# Altium PCB roach2.PcbDoc (part 2 of 39)
Units mil, origin at the board's own origin, x right, y up, seen from the top; angles counter-clockwise.
Board outline 12007.87 x 9606.3 mil, 16 copper layers (L1_TOP, L2_G, L3_S, L4_G, L5_S, L6_P, L7_G, L8_R, L9_R, L10_P, L11_P, L12_S, L13_P, L14_S, L15_G, L16_BOT), stack 81.651 mil thick; 1568 components, 1918 nets, 9251 pads, 6741 vias.
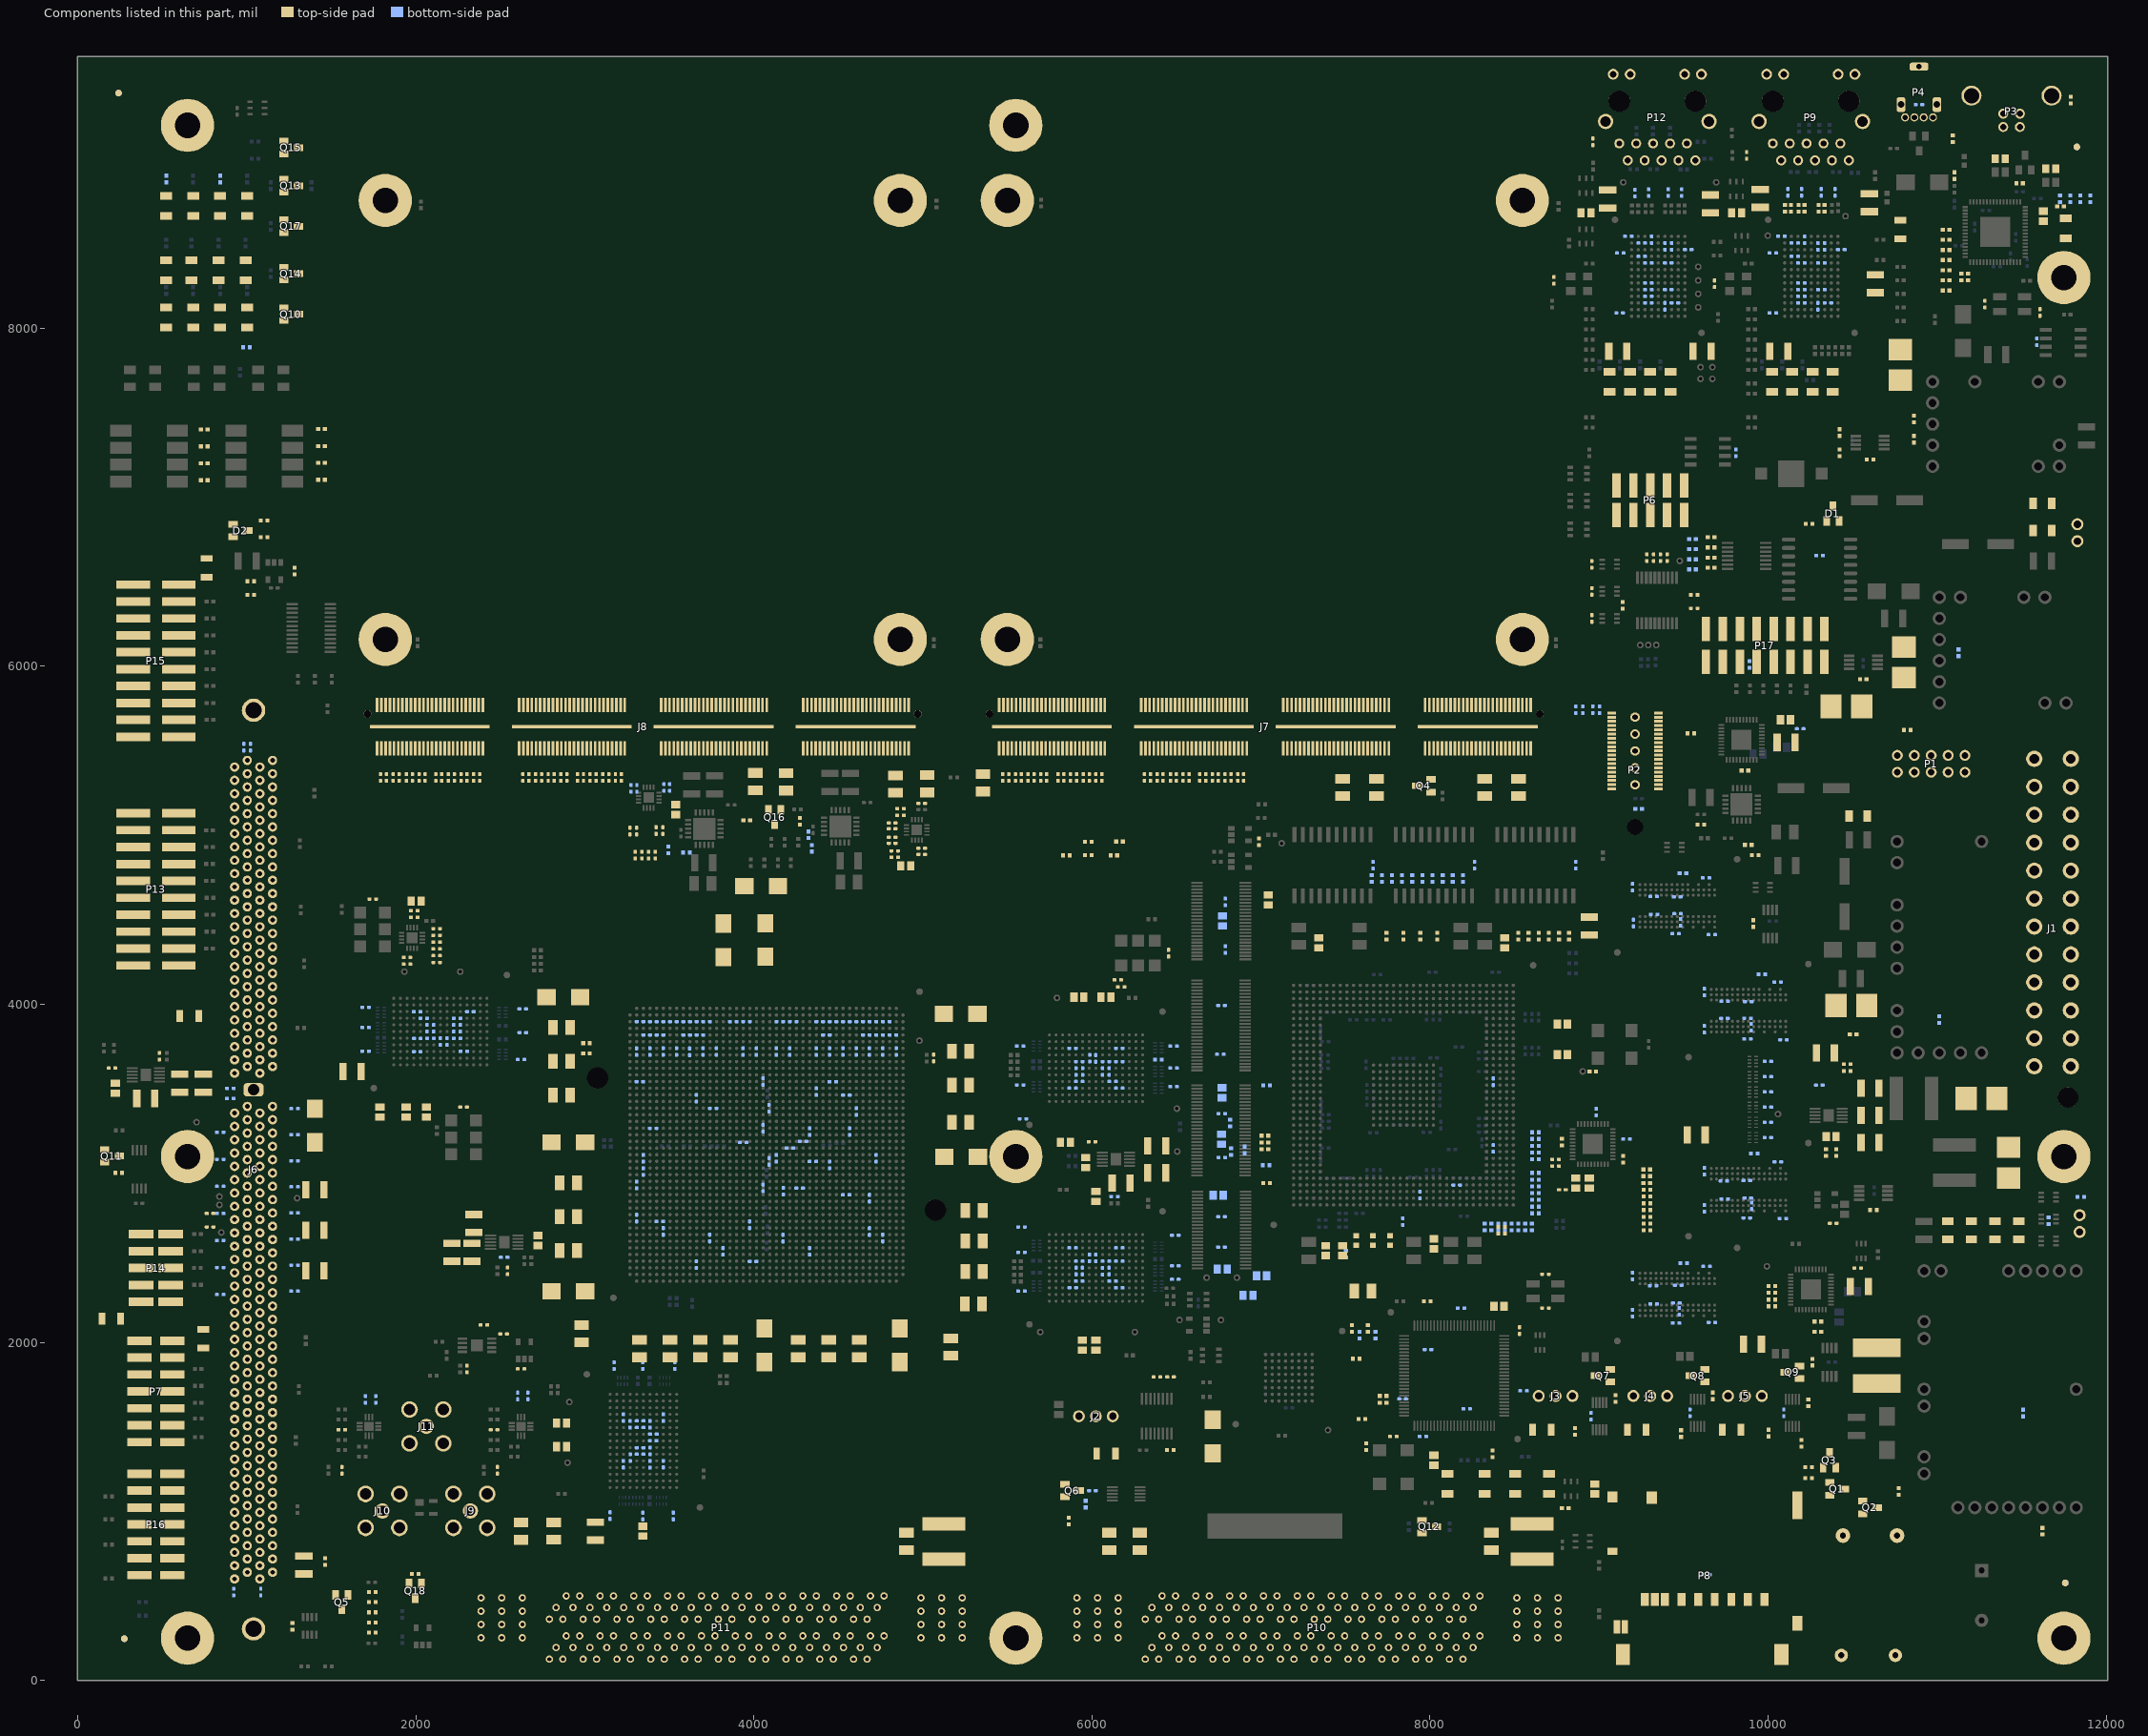
[diagram p16: the components of this part, seen from the top]

## Components (designator, comment, footprint, x,y, rotation, side; value= is the part's Value field where it differs from the comment) (continued)
C184 "1000pF" CAPC1005X55L 10892.99,9322.99 r180 bottom
C185 "4.7uF" CAPC2012X127L 11627.99,8662.99 r90 top
C186 "22pF" CAPC1005X55L 8682.99,2402.99 r0 top
C187 "22pF" CAPC1005X55L 8682.99,2202.99 r180 top
C188 "0.1uF" CAPC1005X60L 11590,7920 r270 bottom
C189 "22pF" CAPC1005X55L 11282.99,8142.99 r270 top
C190 "22pF" CAPC1005X55L 11607.99,8092.99 r90 top
C191 "0.1uF" CAPC1005X60L 8956.99,6602.99 r90 top
C192 "Value" CAPC1005X60L 9402.99,6642.99 r270 top
C193 "0.1uF" CAPC1005X60L 9362.99,6642.99 r270 top
C194 "0.1uF" CAPC1005X60L 9322.99,6642.99 r270 top
C195 "0.1uF" CAPC1005X60L 9282.99,6642.99 r270 top
C196 "0.1uF" CAPC1005X60L 8956.99,6442.99 r90 top
C197 "0.1uF" CAPC1005X60L 8956.99,6282.99 r90 top
C198 "0.1uF" CAPC1005X60L 9562.99,6342.99 r180 top
C199 "0.1uF" CAPC1005X60L 9162.99,3202.99 r180 bottom
C200 "0.1uF" CAPC1005X60L 8982.99,3362.99 r270 bottom
C201 "0.1uF" CAPC1005X60L 8782.99,2902.99 r0 top
C202 "0.47uF" CAPC1005X55L 9998.99,3301.99 r180 bottom
C203 "0.47uF" CAPC1005X55L 9998.99,3211.99 r180 bottom
C204 "0.47uF" CAPC1005X55L 9998.99,3391.99 r180 bottom
C205 "4.7uF" CAPC2012X127L 8942.99,2942.99 r90 top
C206 "0.1uF" CAPC1005X60L 8742.99,3082.99 r0 top
C207 "0.1uF" CAPC1005X60L 8742.99,3042.99 r0 top
C208 "0.47uF" CAPC1005X55L 9998.99,3481.99 r180 bottom
C209 "0.47uF" CAPC1005X55L 9998.99,3571.99 r180 bottom
C210 "0.47uF" CAPC1005X55L 9998.99,3661.99 r180 bottom
C211 "0.1uF" CAPC1005X60L 7838.58,2714.57 r270 bottom
C212 "0.1uF" CAPC1005X60L 8157.48,2931.1 r0 bottom
C213 "0.1uF" CAPC1005X60L 8374.02,3541.34 r270 bottom
C214 "0.1uF" CAPC1005X60L 7940.94,2872.05 r90 bottom
C215 "0.1uF" CAPC1005X60L 8374.02,3147.64 r90 bottom
C216 "4.7uF" CAPC2012X127L 10372.99,3217.99 r180 top
C217 "10uF" CAPC3225X200L 10602.99,3182.99 r180 top
C218 "1000pF" CAPC1005X55L 10467.99,3645.99 r0 top
C219 "0.1uF" CAPC1005X60L 10302.99,3522.99 r180 bottom
C220 "10uF" CAPC3225X200L 10602.99,3342.99 r180 top
C221 "10uF" CAPC3225X200L 10602.99,3502.99 r180 top
C222 "0.1uF" CAPC1005X60L 9452.99,4417.99 r0 bottom
C223 "0.1uF" CAPC1005X60L 9482.71,4484.91 r270 bottom
C224 "10uF" CAPC3225X200L 8942.99,4462.99 r270 top
C225 "0.1uF" CAPC1005X60L 9462.6,4634.84 r180 bottom
C226 "0.1uF" CAPC1005X60L 9322.99,4637.99 r180 bottom
C227 "0.1uF" CAPC1005X60L 9465,4536.1 r180 bottom
C228 "0.1uF" CAPC1005X60L 9325.23,4532.16 r180 bottom
C229 "0.1uF" CAPC1005X60L 9203.19,4480.98 r270 bottom
C230 "0.1uF" CAPC1005X60L 9197.99,4692.99 r90 bottom
C231 "0.1uF" CAPC1005X60L 9632.99,4747.99 r180 bottom
C232 "0.1uF" CAPC1005X60L 9877.95,3795.28 r0 bottom
C233 "0.1uF" CAPC1005X60L 9901.01,3864.1 r270 bottom
C234 "10uF" CAPC3225X200L 10338.58,3712.6 r180 top
C235 "0.1uF" CAPC1005X60L 9741.56,3917.25 r180 bottom
C236 "0.1uF" CAPC1005X60L 9622.99,4072.99 r90 bottom
C237 "0.1uF" CAPC1005X60L 9622.99,3852.99 r270 bottom
C238 "0.1uF" CAPC1005X60L 9882.87,4016.73 r180 bottom
C239 "0.1uF" CAPC1005X60L 10090.98,3790.04 r0 bottom
C240 "0.1uF" CAPC1005X60L 9742.99,4017.99 r180 bottom
C241 "0.1uF" CAPC1005X60L 9877.99,3917.99 r180 bottom
C242 "0.1uF" CAPC1005X60L 9874.15,2736.52 r0 bottom
C243 "0.1uF" CAPC1005X60L 9902.99,2807.99 r270 bottom
C244 "10uF" CAPC3225X200L 9574.99,3227.99 r180 top
C245 "0.1uF" CAPC1005X60L 9880.06,2854.63 r180 bottom
C246 "0.1uF" CAPC1005X60L 9622.99,2792.99 r270 bottom
C247 "0.1uF" CAPC1005X60L 9738.33,2955.02 r180 bottom
C248 "0.1uF" CAPC1005X60L 10057.99,3067.99 r180 bottom
C249 "0.1uF" CAPC1005X60L 9742.99,2847.99 r180 bottom
C250 "0.1uF" CAPC1005X60L 10087.99,2732.99 r0 bottom
C251 "0.1uF" CAPC1005X60L 9874.15,2956.99 r180 bottom
C252 "0.1uF" CAPC1005X60L 9455.36,2114.64 r0 bottom
C253 "0.1uF" CAPC1005X60L 9475.05,2183.54 r270 bottom
C254 "10uF" CAPC3225X200L 9906.99,1988.99 r180 top
C255 "0.1uF" CAPC1005X60L 9197.99,2392.99 r90 bottom
C256 "0.1uF" CAPC1005X60L 9197.99,2172.99 r270 bottom
C257 "0.1uF" CAPC1005X60L 9319.53,2335.11 r180 bottom
C258 "0.1uF" CAPC1005X60L 9322.99,2227.99 r180 bottom
C259 "0.1uF" CAPC1005X60L 9467.99,2337.99 r180 bottom
C260 "0.1uF" CAPC1005X60L 9457.33,2232.75 r180 bottom
C261 "0.1uF" CAPC1005X60L 9636.46,2449.29 r180 bottom
C262 "4.7uF" CAPC2012X127L 8407.99,2212.99 r180 top
C263 "0.1uF" CAPC1005X60L 7837.99,1665.2 r180 bottom
C264 "CapStd" CAPC1005X55L 10385,2705 r180 top
C265 "0.1uF" CAPC1005X60L 8182.99,2202.99 r180 bottom
C266 "0.1uF" CAPC1005X60L 7987.99,1957.99 r180 bottom
C267 "0.1uF" CAPC1005X60L 8216.99,1606.99 r180 bottom
C268 "4.7uF" CAPC2012X127L 8022.99,1302.99 r90 top
C269 "0.1uF" CAPC1005X60L 8552.99,1712.99 r180 bottom
C270 "0.1uF" CAPC1005X60L 7957.99,1442.99 r180 bottom
C271 "0.1uF" CAPC1005X60L 9635,625 r180 bottom
C272 "4.7uF" CAPC2012X127L 8974.45,1132.99 r90 top
C273 "0.1uF" CAPC1005X60L 7782.99,1442.99 r180 top
C274 "10uF" CAPC3225X200L 9952.99,8767.99 r270 top
C275 "1000pF" CAPC1005X55L 10334.65,8484.25 r90 bottom
C276 "0.1uF" CAPC1005X60L 10157.48,8503.94 r180 bottom
C277 "0.1uF" CAPC1005X60L 10295.28,8484.25 r90 bottom
C278 "0.1uF" CAPC1005X60L 10216.54,8523.62 r90 bottom
C279 "0.1uF" CAPC1005X60L 10078.74,8544.29 r0 bottom
C280 "10uF" CAPC3225X200L 10598.99,8742.99 r270 top
C281 "10uF" CAPC3225X200L 10062.99,7862.99 r0 top
C282 "0.1uF" CAPC1005X60L 10354.33,8149.61 r0 bottom
C283 "0.1uF" CAPC1005X60L 10196.85,8267.72 r180 bottom
C284 "0.1uF" CAPC1005X60L 10157.48,8425.2 r180 bottom
C285 "0.1uF" CAPC1005X60L 10433.07,8464.57 r180 bottom
C286 "0.1uF" CAPC1005X60L 10027.56,8090.55 r0 bottom
C287 "0.1uF" CAPC1005X60L 10028.54,8444.88 r0 bottom
C288 "0.1uF" CAPC1005X60L 10295.28,8129.92 r270 bottom
C289 "10uF" CAPC3225X200L 10634.99,8262.99 r270 top
C290 "0.1uF" CAPC1005X60L 10196.85,8149.61 r180 bottom
C291 "0.1uF" CAPC1005X60L 10196.85,8385.83 r180 bottom
C292 "0.1uF" CAPC1005X60L 10314.96,8385.83 r0 bottom
C293 "0.1uF" CAPC1005X60L 10196.85,8188.98 r180 bottom
C294 "1000pF" CAPC1005X55L 6465,1795 r0 top
C295 "0.1uF" CAPC1005X60L 10314.96,8228.35 r0 bottom
C296 "0.1uF" CAPC1005X60L 10196.85,8228.35 r180 bottom
C297 "0.1uF" CAPC1005X60L 9872.99,9022.99 r270 top
C298 "0.1uF" CAPC1005X60L 10117.99,8803.99 r90 bottom
C299 "0.1uF" CAPC1005X60L 10197.99,8803.99 r90 bottom
C300 "0.1uF" CAPC1005X60L 10314.99,8803.99 r90 bottom
C301 "0.1uF" CAPC1005X60L 10395.99,8803.99 r90 bottom
C302 "0.1uF" CAPC1005X60L 9682.99,8262.99 r90 top
C303 "330uF" CAPMP7343X280L 5225.99,3096.99 r0 top
C304 "330uF" CAPMP7343X280L 4043.69,4699.09 r180 top
C305 "330uF" CAPMP7343X280L 2902.99,3182.99 r180 top
C306 "330uF" CAPMP7343X280L 4062.99,1982.99 r270 top
C307 "330uF" CAPMP7343X280L 2872.99,4042.99 r180 top
C308 "330uF" CAPMP7343X280L 5222.99,3942.99 r0 top
C309 "330uF" CAPMP7343X280L 4862.99,1982.99 r270 top
C310 "330uF" CAPMP7343X280L 2902.99,2302.99 r180 top
C311 "330uF" CAPMP7343X280L 6714.99,1442.99 r270 top
C312 "47uF" CAPMP3528X120L 5298.89,2226.79 r180 top
C313 "47uF" CAPMP3528X120L 2862.99,3662.99 r180 top
C314 "47uF" CAPMP3528X120L 5222.99,3302.99 r0 top
C315 "47uF" CAPMP3528X120L 5222.99,3522.99 r0 top
C316 "47uF" CAPMP3528X120L 3862.99,1962.99 r270 top
C317 "47uF" CAPMP3528X120L 5302.99,2600 r0 top
C318 "4.7uF" CAPC1005X60L 4291.34,3188.98 r0 bottom
C319 "4.7uF" CAPC1005X60L 4212.6,3149.61 r180 bottom
C320 "4.7uF" CAPC1005X60L 4055.12,2913.39 r90 bottom
C321 "4.7uF" CAPC1005X60L 4089.49,3385.83 r90 bottom
C322 "4.7uF" CAPC1005X60L 4089.49,3070.87 r270 bottom
C323 "4.7uF" CAPC1005X60L 3937.01,3182.98 r0 bottom
C324 "4.7uF" CAPC1005X60L 4055.12,3267.72 r90 bottom
C325 "4.7uF" CAPC1005X60L 4055.12,3543.31 r270 bottom
C326 "330uF" CAPMP7343X280L 4067.69,4380.69 r90 top
C327 "0.47uF" CAPC1005X55L 4468.5,3897.64 r180 bottom
C328 "0.47uF" CAPC1005X55L 4783.46,3897.64 r0 bottom
C329 "0.47uF" CAPC1005X55L 4625.98,3897.64 r180 bottom
C330 "0.47uF" CAPC1005X55L 3681.1,3818.9 r180 bottom
C331 "0.47uF" CAPC1005X55L 3641.73,3897.64 r180 bottom
C332 "0.47uF" CAPC1005X55L 3484.25,3897.64 r180 bottom
C333 "0.47uF" CAPC1005X55L 3444.88,3818.9 r180 bottom
C334 "0.47uF" CAPC1005X55L 3405.51,3897.64 r180 bottom
C335 "0.47uF" CAPC1005X55L 4704.72,3897.64 r180 bottom
C336 "0.47uF" CAPC1005X55L 4822.83,3818.9 r0 bottom
C337 "0.47uF" CAPC1005X55L 4744.09,3818.9 r0 bottom
C338 "0.47uF" CAPC1005X55L 4547.24,3897.64 r180 bottom
C339 "0.47uF" CAPC1005X55L 3720.47,3897.64 r180 bottom
C340 "0.47uF" CAPC1005X55L 3562.99,3897.64 r180 bottom
C341 "0.47uF" CAPC1005X55L 3602.36,3818.9 r180 bottom
C342 "0.47uF" CAPC1005X55L 3366.14,3818.9 r180 bottom
C343 "0.47uF" CAPC1005X55L 3326.77,3897.64 r180 bottom
C344 "330uF" CAPMP7343X280L 3819.99,4378.99 r90 top
C345 "0.47uF" CAPC1005X55L 3305.59,3719.97 r270 bottom
C346 "0.47uF" CAPC1005X55L 3699.79,3720.47 r270 bottom
C347 "0.47uF" CAPC1005X55L 3936.01,3720.47 r270 bottom
C348 "0.47uF" CAPC1005X55L 4132.86,3720.47 r270 bottom
C349 "0.47uF" CAPC1005X55L 4369.08,3720.47 r270 bottom
C350 "0.47uF" CAPC1005X55L 4526.56,3720.47 r270 bottom
C351 "0.47uF" CAPC1005X55L 4684.04,3720.47 r270 bottom
C352 "0.47uF" CAPC1005X55L 4842.52,3720.47 r270 bottom
C353 "0.47uF" CAPC1005X55L 3384.83,3720.47 r270 bottom
C354 "0.47uF" CAPC1005X55L 3778.53,3720.47 r270 bottom
C355 "0.47uF" CAPC1005X55L 4014.75,3720.47 r270 bottom
C356 "0.47uF" CAPC1005X55L 4212.6,3720.47 r270 bottom
C357 "0.47uF" CAPC1005X55L 4447.82,3720.47 r270 bottom
C358 "0.47uF" CAPC1005X55L 4605.3,3720.47 r270 bottom
C359 "0.47uF" CAPC1005X55L 4762.78,3720.47 r270 bottom
C360 "0.47uF" CAPC1005X55L 3463.57,3720.47 r270 bottom
C361 "47uF" CAPMP3528X120L 4442.99,1962.99 r270 top
C362 "47uF" CAPMP3528X120L 5164.99,1972.99 r270 top
C363 "47uF" CAPMP3528X120L 7602.99,2302.99 r180 top
C364 "0.1uF" CAPC1005X60L 9667.69,4411.92 r0 bottom
C365 "4.7uF" CAPC1005X60L 4172.23,2617.11 r270 bottom
C366 "4.7uF" CAPC1005X60L 4329.71,2538.37 r270 bottom
C367 "4.7uF" CAPC1005X60L 3345.96,3010.81 r270 bottom
C368 "0.47uF" CAPC1005X55L 3306.59,2931.57 r90 bottom
C369 "4.7uF" CAPC1005X60L 3306.09,2735.22 r270 bottom
C371 "0.1uF" CAPC1005X60L 4133.36,3089.05 r90 bottom
C372 "0.1uF" CAPC1005X60L 10056.46,4131.75 r180 bottom
C373 "47uF" CAPMP3528X120L 2862.99,3462.99 r180 top
C374 "47uF" CAPMP3528X120L 2902.99,2742.99 r180 top
C375 "47uF" CAPMP3528X120L 2902.99,2542.99 r180 top
C376 "47uF" CAPMP3528X120L 4837.99,5302.99 r270 top
C377 "4.7uF" CAPC1005X60L 3463.57,2656.48 r270 bottom
C379 "4.7uF" CAPC1005X60L 3739.16,2617.11 r270 bottom
C381 "4.7uF" CAPC1005X60L 3660.42,2459.63 r270 bottom
C382 "0.47uF" CAPC1005X55L 3817.9,2538.37 r270 bottom
C383 "4.7uF" CAPC1005X60L 3975.38,2695.85 r270 bottom
C384 "0.47uF" CAPC1005X55L 3995.06,2479.31 r0 bottom
C385 "47uF" CAPMP3528X120L 2862.99,3862.99 r180 top
C386 "4.7uF" CAPC1005X60L 4683.96,2655.82 r270 bottom
C387 "47uF" CAPMP3528X120L 2981.11,2051.09 r90 top
C388 "47uF" CAPMP3528X120L 2902.99,2942.99 r180 top
C389 "47uF" CAPMP3528X120L 4262.99,1962.99 r270 top
C390 "4.7uF" CAPC1005X60L 3443.88,2715.54 r180 bottom
C392 "4.7uF" CAPC1005X60L 4174.21,2894.68 r270 bottom
C393 "4.7uF" CAPC1005X60L 4270.65,2912.39 r0 bottom
C394 "47uF" CAPMP3528X120L 3682.99,1962.99 r270 top
C395 "47uF" CAPMP3528X120L 3502.99,1962.99 r270 top
C396 "47uF" CAPMP3528X120L 3322.99,1962.99 r270 top
C397 "4.7uF" CAPC1005X60L 4546.24,2873.02 r0 bottom
C398 "0.47uF" CAPC1005X55L 4762.78,2617.11 r90 bottom
C399 "4.7uF" CAPC1005X60L 4349.39,3069.87 r0 bottom
C400 "0.47uF" CAPC1005X55L 4684.04,2853.33 r90 bottom
C401 "4.7uF" CAPC1005X60L 3404.51,3266.72 r180 bottom
C402 "0.47uF" CAPC1005X55L 3345.96,3089.55 r90 bottom
C403 "47uF" CAPMP3528X120L 5302.99,2780 r0 top
C404 "4.7uF" CAPC1005X60L 3758.84,3384.83 r180 bottom
C405 "0.47uF" CAPC1005X55L 3660.42,3443.88 r270 bottom
C406 "0.1uF" CAPC1005X60L 9622.99,3012.99 r90 bottom
C407 "0.1uF" CAPC1005X60L 9667.99,2117.99 r0 bottom
C408 "47uF" CAPMP3528X120L 5302.99,2420 r0 top
C409 "4.7uF" CAPC1005X60L 4467,3541.81 r0 bottom
C410 "0.47uF" CAPC1005X55L 4547.24,3463.07 r180 bottom
C411 "4.7uF" CAPC1005X60L 4369.08,3483.25 r270 bottom
C412 "0.47uF" CAPC1005X55L 4606.3,3366.14 r90 bottom
C413 "4.7uF" CAPC1005X60L 4565.93,3247.03 r90 bottom
C414 "0.47uF" CAPC1005X55L 4723.41,3089.55 r90 bottom
C415 "47uF" CAPMP3528X120L 5222.99,3722.99 r0 top
C416 "4.7uF" CAPC1005X60L 4330.21,3246.53 r270 bottom
C417 "0.47uF" CAPC1005X55L 4447.82,3050.18 r90 bottom
C418 "47uF" CAPMP3528X120L 4622.99,1962.99 r270 top
C419 "4.7uF" CAPC1005X60L 3325.77,3542.31 r180 bottom
C420 "0.01uF" CAPC1005X55L 6637.8,5342.52 r90 top
C421 "0.01uF" CAPC1005X55L 6311.02,5342.52 r90 top
C422 "0.01uF" CAPC1005X55L 5799.21,5342.52 r90 top
C423 "0.01uF" CAPC1005X55L 5472.44,5342.52 r90 top
C424 "0.01uF" CAPC1005X55L 6673.23,5342.52 r90 top
C425 "0.01uF" CAPC1005X55L 6346.46,5342.52 r90 top
C426 "0.01uF" CAPC1005X55L 5834.65,5342.52 r90 top
C427 "0.01uF" CAPC1005X55L 5507.87,5342.52 r90 top
C428 "0.01uF" CAPC1005X55L 6712.6,5342.52 r90 top
C429 "0.01uF" CAPC1005X55L 6385.83,5342.52 r90 top
C430 "0.01uF" CAPC1005X55L 5874.02,5342.52 r90 top
C431 "0.01uF" CAPC1005X55L 5547.24,5342.52 r90 top
C432 "0.01uF" CAPC1005X55L 6748.03,5342.52 r90 top
C433 "0.01uF" CAPC1005X55L 6421.26,5342.52 r90 top
C434 "0.01uF" CAPC1005X55L 5909.45,5342.52 r90 top
C435 "0.01uF" CAPC1005X55L 5582.68,5342.52 r90 top
C436 "0.01uF" CAPC1005X55L 6787.4,5342.52 r90 top
C437 "0.01uF" CAPC1005X55L 6464.57,5342.52 r90 top
C438 "0.01uF" CAPC1005X55L 5948.82,5342.52 r90 top
C439 "0.01uF" CAPC1005X55L 5622.05,5342.52 r90 top
C440 "0.01uF" CAPC1005X55L 6822.99,5342.99 r90 top
C441 "0.01uF" CAPC1005X55L 6500,5342.52 r90 top
C442 "0.01uF" CAPC1005X55L 5984.25,5342.52 r90 top
C443 "0.01uF" CAPC1005X55L 5657.48,5342.52 r90 top
C444 "0.01uF" CAPC1005X55L 6862.99,5342.99 r90 top
C445 "0.01uF" CAPC1005X55L 6539.37,5342.52 r90 top
C446 "0.01uF" CAPC1005X55L 6023.62,5342.52 r90 top
C447 "0.01uF" CAPC1005X55L 5696.85,5342.52 r90 top
C448 "0.01uF" CAPC1005X55L 6897.64,5342.52 r90 top
C449 "0.01uF" CAPC1005X55L 6574.8,5342.52 r90 top
C450 "0.01uF" CAPC1005X55L 6059.06,5342.52 r90 top
C451 "0.01uF" CAPC1005X55L 5732.28,5342.52 r90 top
C452 "0.1uF" CAPC1005X60L 5062.99,3682.99 r270 top
C453 "0.01uF" CAPC1005X55L 2956.69,5342.52 r90 top
C454 "0.01uF" CAPC1005X55L 2633.86,5342.52 r90 top
C455 "0.01uF" CAPC1005X55L 2118.11,5342.52 r90 top
C456 "0.01uF" CAPC1005X55L 1791.34,5342.52 r90 top
C457 "0.01uF" CAPC1005X55L 2992.13,5342.52 r90 top
C458 "0.01uF" CAPC1005X55L 2669.29,5342.52 r90 top
C459 "0.01uF" CAPC1005X55L 2153.54,5342.52 r90 top
C460 "0.01uF" CAPC1005X55L 1826.77,5342.52 r90 top
C461 "0.01uF" CAPC1005X55L 3031.5,5342.52 r90 top
C462 "0.01uF" CAPC1005X55L 2708.66,5342.52 r90 top
C463 "0.01uF" CAPC1005X55L 2192.91,5342.52 r90 top
C464 "0.01uF" CAPC1005X55L 1866.14,5342.52 r90 top
C465 "0.01uF" CAPC1005X55L 3066.93,5342.52 r90 top
C466 "0.01uF" CAPC1005X55L 2744.09,5342.52 r90 top
C467 "0.01uF" CAPC1005X55L 2228.35,5342.52 r90 top
C468 "0.01uF" CAPC1005X55L 1901.57,5342.52 r90 top
C469 "0.01uF" CAPC1005X55L 3106.3,5342.52 r90 top
C470 "0.01uF" CAPC1005X55L 2783.46,5342.52 r90 top
C471 "0.01uF" CAPC1005X55L 2267.72,5342.52 r90 top
C472 "0.01uF" CAPC1005X55L 1944.88,5342.52 r90 top
C473 "0.01uF" CAPC1005X55L 3141.73,5342.52 r90 top
C474 "0.01uF" CAPC1005X55L 2818.9,5342.52 r90 top
C475 "0.01uF" CAPC1005X55L 2303.15,5342.52 r90 top
C476 "0.01uF" CAPC1005X55L 1980.31,5342.52 r90 top
C477 "0.01uF" CAPC1005X55L 3181.1,5342.52 r90 top
C478 "0.01uF" CAPC1005X55L 2858.27,5342.52 r90 top
C479 "0.01uF" CAPC1005X55L 2342.52,5342.52 r90 top
C480 "0.01uF" CAPC1005X55L 2019.68,5342.52 r90 top
C481 "0.01uF" CAPC1005X55L 3216.54,5342.52 r90 top
C482 "0.01uF" CAPC1005X55L 2893.7,5342.52 r90 top
C483 "0.01uF" CAPC1005X55L 2377.95,5342.52 r90 top
C484 "0.01uF" CAPC1005X55L 2055.12,5342.52 r90 top
C485 "0.1uF" CAPC1005X60L 2520,2050 r180 top
C486 "0.01uF" CAPC1005X55L 8862.99,5742.99 r90 bottom
C487 "10uF" CAPC3225X200L 10540,2330 r180 top
C488 "0.01uF" CAPC1005X55L 8902.99,5742.99 r90 bottom
C489 "0.1uF" CAPC1005X60L 8530,2070 r270 top
C490 "0.1uF" CAPC1005X60L 10530,2440 r0 top
C491 "10uF" CAPC3225X200L 10106.99,5550 r180 top locked
C498 "0.01uF" CAPC1005X55L 2122.99,4247.99 r0 top
C499 "0.01uF" CAPC1005X55L 2122.99,4287.99 r0 top
C500 "0.1uF" CAPC1005X60L 1947.99,4237.8 r0 top
C501 "1000pF" CAPC1005X55L 1947.99,4277.8 r0 top
C502 "0.1uF" CAPC1005X60L 1990.99,4514.31 r180 top
C503 "1000pF" CAPC1005X55L 1990.99,4554.31 r180 top
C504 "0.01uF" CAPC1005X55L 2122.99,4327.99 r0 top
C505 "0.01uF" CAPC1005X55L 6152.99,4144.8 r180 top
C506 "0.1uF" CAPC1005X60L 6452.99,4302.99 r270 top
C507 "0.01uF" CAPC1005X55L 2122.99,4367.99 r0 top
C508 "0.01uF" CAPC1005X55L 6172.99,4102.99 r180 top
C509 "0.01uF" CAPC1005X55L 2122.99,4407.99 r0 top
C510 "0.01uF" CAPC1005X55L 2122.99,4447.99 r0 top
C511 "0.1uF" CAPC1005X60L 1745.99,4622.99 r0 top
C512 "4.7uF" CAPC2012X127L 6082.99,4042.99 r0 top
C513 "0.1uF" CAPC1005X60L 5925.2,3543.31 r0 bottom
C514 "0.1uF" CAPC1005X60L 6021.65,3680.12 r90 bottom
C515 "0.1uF" CAPC1005X60L 5885.83,3740.16 r0 bottom
C516 "0.1uF" CAPC1005X60L 5885.83,3503.94 r0 bottom
C517 "0.1uF" CAPC1005X60L 6122.05,3543.31 r180 bottom
C518 "0.1uF" CAPC1005X60L 5987.2,3681.1 r90 bottom
C519 "0.1uF" CAPC1005X60L 6161.42,3740.16 r180 bottom
C520 "0.1uF" CAPC1005X60L 6161.42,3503.94 r180 bottom
C521 "0.47uF" CAPC1005X55L 4665.35,3818.9 r180 bottom
C522 "4.7uF" CAPC2012X127L 6022.99,1982.99 r90 top
C523 "0.1uF" CAPC1005X60L 5885.83,2559.06 r0 bottom
C524 "0.1uF" CAPC1005X60L 5985.24,2500 r90 bottom
C525 "0.1uF" CAPC1005X60L 6023.62,2500 r90 bottom
C526 "0.1uF" CAPC1005X60L 5924.21,2362.2 r0 bottom
C527 "0.1uF" CAPC1005X60L 6122.05,2362.2 r180 bottom
C528 "0.1uF" CAPC1005X60L 6161.42,2322.83 r180 bottom
C529 "0.1uF" CAPC1005X60L 6161.42,2559.06 r180 bottom
C530 "0.1uF" CAPC1005X60L 5886.81,2322.83 r0 bottom
C531 "0.47uF" CAPC1005X55L 4429.13,3818.9 r180 bottom
C532 "4.7uF" CAPC2012X127L 5922.99,4042.99 r180 top
C533 "4.7uF" CAPC2012X127L 5842.99,3182.99 r0 top
C534 "0.1uF" CAPC1005X60L 6082.68,3661.42 r180 bottom
C535 "0.1uF" CAPC1005X60L 5905.51,3602.36 r270 bottom
C536 "0.1uF" CAPC1005X60L 6102.36,3602.36 r270 bottom
C537 "0.1uF" CAPC1005X60L 5944.88,3602.36 r270 bottom
C538 "0.1uF" CAPC1005X60L 5924.21,3661.42 r0 bottom
C539 "0.1uF" CAPC1005X60L 6161.42,3661.42 r180 bottom
C540 "0.1uF" CAPC1005X60L 6062.99,3602.36 r270 bottom
C541 "0.47uF" CAPC1005X55L 4389.76,3897.64 r180 bottom
C542 "4.7uF" CAPC2012X127L 6022.99,2862.99 r270 top
C543 "4.7uF" CAPC2012X127L 5942.99,1982.99 r90 top
C544 "0.1uF" CAPC1005X60L 5905.51,2422.24 r270 bottom
C545 "0.1uF" CAPC1005X60L 5943.9,2422.24 r270 bottom
C546 "0.1uF" CAPC1005X60L 6062.99,2421.26 r270 bottom
C547 "0.1uF" CAPC1005X60L 6102.36,2422.24 r270 bottom
C548 "0.1uF" CAPC1005X60L 6161.42,2480.31 r180 bottom
C549 "0.1uF" CAPC1005X60L 6082.68,2480.31 r180 bottom
C550 "0.1uF" CAPC1005X60L 5925.2,2480.31 r0 bottom
C551 "0.47uF" CAPC1005X55L 4232.28,3897.64 r180 bottom
C552 "0.47uF" CAPC1005X55L 4153.54,3897.64 r180 bottom
C553 "0.47uF" CAPC1005X55L 6482.99,3512.99 r180 bottom
C554 "0.47uF" CAPC1005X55L 6482.99,3752.99 r180 bottom
C555 "0.47uF" CAPC1005X55L 5575.12,3522.99 r0 bottom
C556 "0.47uF" CAPC1005X55L 6482.99,3622.99 r180 bottom
C557 "0.47uF" CAPC1005X55L 5592.99,3322.99 r0 bottom
C558 "0.47uF" CAPC1005X55L 5574.99,3752.99 r0 bottom
C559 "0.47uF" CAPC1005X55L 3956.69,3897.64 r0 bottom
C560 "0.47uF" CAPC1005X55L 6492.99,2452.99 r180 bottom
C561 "0.47uF" CAPC1005X55L 5582.99,2682.99 r0 bottom
C562 "0.47uF" CAPC1005X55L 5582.99,2302.99 r0 bottom
C563 "0.47uF" CAPC1005X55L 6492.99,2632.99 r180 bottom
C564 "0.47uF" CAPC1005X55L 6492.99,2372.99 r180 bottom
C565 "0.47uF" CAPC1005X55L 5582.99,2532.99 r0 bottom
C566 "4.7uF" CAPC2012X127L 5962.99,3062.99 r270 top
C567 "10uF" CAPC3225X200L 6172.99,2942.99 r0 top
C568 "1000pF" CAPC1005X55L 6132.99,2862.99 r0 bottom
C569 "0.1uF" CAPC1005X60L 6000.31,3187.24 r0 top
C570 "10uF" CAPC3225X200L 6382.99,3162.99 r180 top
C571 "10uF" CAPC3225X200L 6382.99,3002.99 r180 top
C572 "4.7uF" CAPC2012X127L 2862.99,1382.99 r0 top
C573 "0.1uF" CAPC1005X60L 2047.24,3917.32 r0 bottom
C574 "0.1uF" CAPC1005X60L 2322.83,3956.69 r180 bottom
C575 "0.1uF" CAPC1005X60L 2284.45,3721.46 r180 bottom
C576 "0.1uF" CAPC1005X60L 2185.04,3779.53 r270 bottom
C577 "0.1uF" CAPC1005X60L 2145.67,3779.53 r270 bottom
C578 "0.1uF" CAPC1005X60L 2008.86,3720.47 r0 bottom
C579 "0.1uF" CAPC1005X60L 2244.09,3917.32 r180 bottom